# KiCad board helios-panel.kicad_pcb (continued)
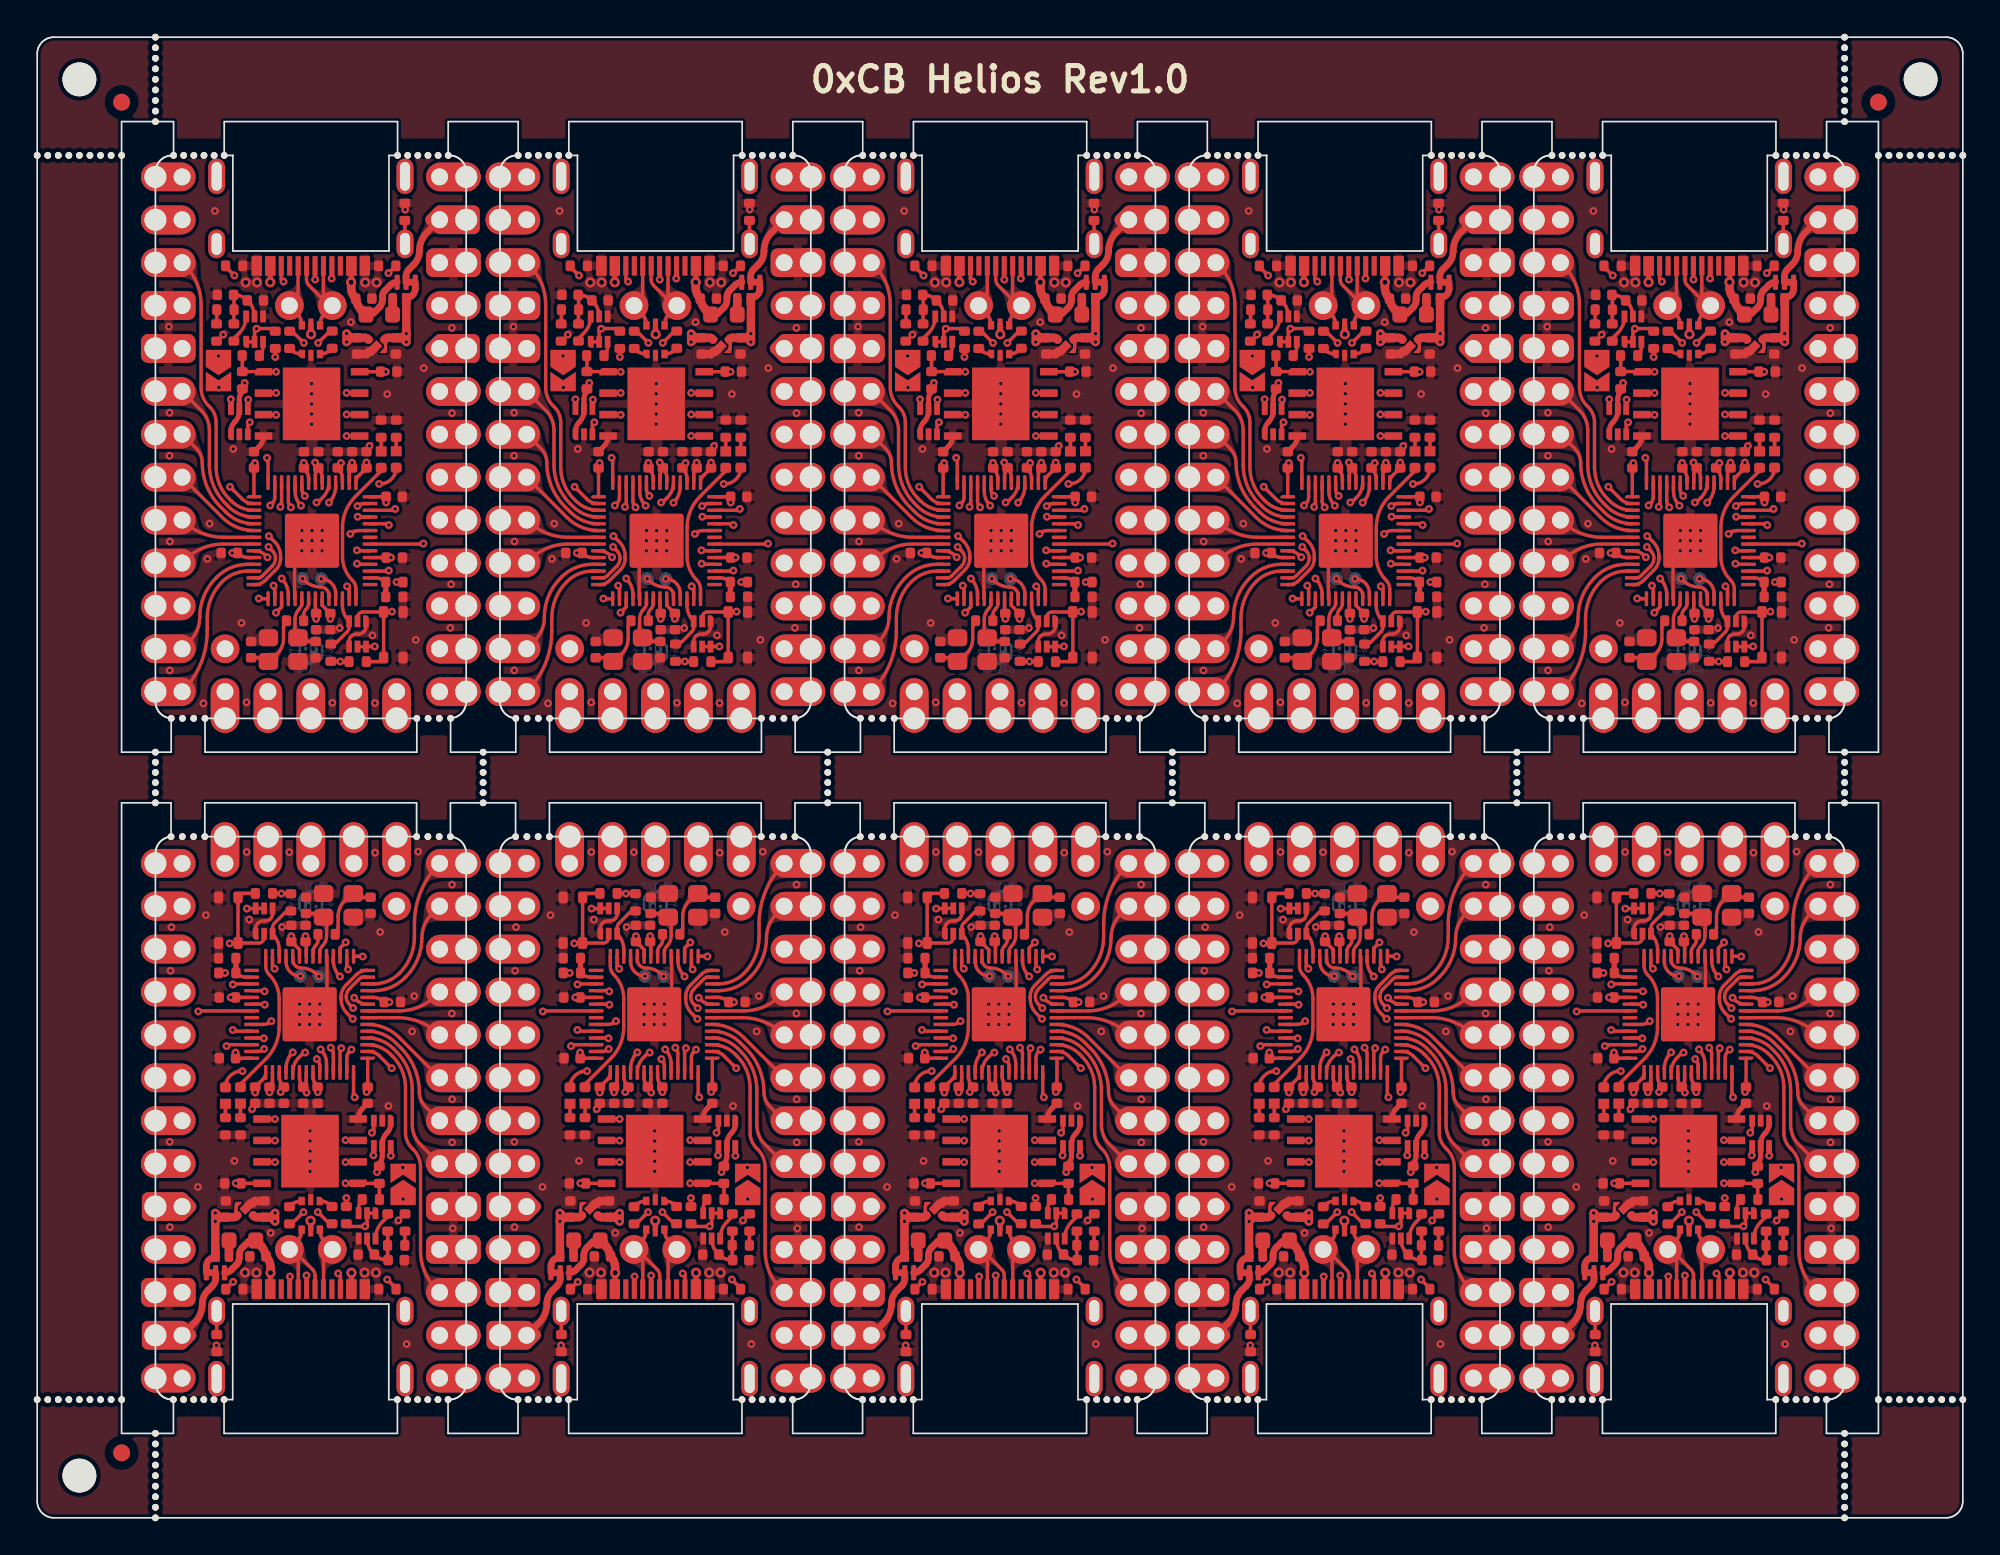
[diagram p0: board, top side]
## Routing (per net, layer and track width the routed paths; a pad name or vN(x,y) marks a point on that pad's centre or on a via; arc(x,y) is an arc through that point) (continued)
Board_9-/SWD_IO: length 1.7
  Top w0.2: U4.25 96.33,32.92 arc(96.58,32.32) v1(97.19,32.07)
Board_9-/USB+: length 0.8
  Top w0.2: R12.1 99,18.48 arc(98.7,18.69) U1#3.1
Board_9-/USB-: length 0.8
  Top w0.2: R13#5.1 96.6,18.49 arc(96.9,18.69) U1#3.3
Board_9-GND: length 8.2
  Top w0.2: Q1#8.4 95.53,35.76 arc(95.5,35.6) 95.42,35.47 95.4,35.46 arc(95.27,35.37) 95.12,35.34 94.97,35.34 arc(94.82,35.31) 94.69,35.22 94.65,35.19 arc(94.57,35.06) 94.53,34.9 Q1#8.1 ; v1(97.73,29.81) 98.76,30.84 98.76,33.22 U4.19
  Top w0.3: C16#6.2 100.85,24.23 arc(100.67,23.95) U3#3.4
  Top w0.5: C5#4.2 94.5,18.76 U2#7.2 94.24,18.61 94.09,18.46
  vias: v1(89.44,22.26) v1(89.55,34.97) v1(89.5,32.39) v1(89.45,17.21) v1(91.11,19.59) v1(91.58,35.68) v1(92.22,10.21) v1(93.28,21.13) v1(94,39.42) v1(94.16,35.42) v1(94.33,24.2) v1(95.42,16.87) v1(96.09,34.98) v1(96.53,39.41) v1(97.14,30.41) v1(97.13,29.81) v1(97.12,29.21) v1(97.73,30.41) v1(97.73,29.21) v1(97.75,22.91) v1(97.75,22.31) v1(97.75,21.71) v1(97.75,21.11) v1(97.75,20.51) v1(98.33,30.41) v1(98.33,29.81) v1(98.33,29.21) v1(101.61,39.38) v1(101.91,34.68) v1(102.39,24.38) v1(102.98,17.61) v1(103.47,10.29) v1(103.8,28.8) v1(103.92,30.89) v1(104.16,39.44) v1(106.14,29.86) v1(106.16,37.49) v1(106.17,24.78) v1(106.17,22.23) v1(106.2,17.14) v2(93.91,14.52) v2(94.58,14.52) v2(100.98,14.52) v2(101.66,14.52)
Board_9-Net-(C8-Pad2): length 3.9
  Top w0.2: R14#3.1 99.27,34.57 arc(99.38,34.74) 99.42,34.93 99.42,35.6 arc(99.51,36.1) 99.79,36.52 100.23,36.96 Y1#7.1 100.53,36.74 C8#10.2
Board_9-Net-(D1-A): length 22.4
  Top w0.2: v1(93.75,26.45) 93.71,26.45 arc(93.03,26.17) D1#2.2 ; JP1#10.2 103.25,20.48 v1(103.25,20.74)
  In1.Cu w0.2: v1(93.75,26.45) 94.86,26.45 arc(95.33,26.54) 95.72,26.81 arc(95.94,27.13) 96.02,27.51 arc(95.9,28.09) 95.57,28.58 95.12,29.03 arc(94.98,29.39) 95.12,29.74 95.14,29.76 arc(95.49,29.9) 95.85,29.76 96.67,28.93 arc(96.89,28.79) 97.14,28.74 100.59,28.74 arc(101.24,28.46) 101.51,27.81 101.51,27.42 arc(101.67,26.63) 102.12,25.96 102.87,25.21 arc(103.29,24.58) 103.44,23.84 103.44,21.17 arc(103.39,20.94) 103.26,20.74 v1(103.25,20.74)
Board_9-Net-(D1-K): length 0.8
  Top w0.2: D1#2.1 R10#9.1
Board_9-Net-(D2-K): length 0.8
  Top w0.2: D2#4.1 R15#8.1
Board_9-Net-(D3-A): length 0.9
  Top w0.5: D3#6.2 92.95,16.42 F1#3.2
Board_9-Net-(J1-CC1): length 4.8
  Top w0.2: v1(96.56,14.29) 96.56,14.28 96.56,13.54 ; v1(93.2,13.97) 93.19,13.97 R7#10.2
  In1.Cu w0.2: v1(93.2,13.97) 93.22,13.99 95.83,13.99 arc(96.23,14.06) v1(96.56,14.29)
Board_9-Net-(J1-CC2): length 4.9
  Top w0.2: R8#5.2 102.84,13.59 v1(102.33,14.11) ; v1(99.42,14.47) 99.56,14.33 99.56,13.54
  In1.Cu w0.2: v1(102.33,14.11) 102.29,14.07 arc(102.19,14.01) 102.08,13.99 100.02,13.99 arc(99.91,14.01) 99.81,14.07 v1(99.42,14.47)
Board_9-Net-(J1-SHIELD): length 1.4
  Top w0.2: 92.23,12.24 92.23,10.85 FB1#10.1
Board_9-Net-(Q1A-D): length 26.6
  Top w0.2: Q2#6.1 Q2#6.2 101.13,17.38 v1(101.02,17.26) 101,17.25 100.06,17.25 R2#2.2 ; v1(94.02,36.07) 94.53,36.07 Q1#8.6 Q1#8.5
  In2.Cu w0.2: v1(94.02,36.07) 94.41,36.07 arc(96.36,35.68) 98.02,34.58 arc(98.75,33.48) 99.01,32.18 99.01,30.22 arc(99.13,29.64) 99.46,29.14 100.71,27.89 arc(101.36,26.92) 101.59,25.77 101.59,24.79 arc(101.5,24.32) 101.23,23.92 arc(101.01,23.59) 100.93,23.2 100.93,17.34 v1(101.02,17.26)
Board_9-Net-(Q2A-D): length 1.7
  Top w0.2: R4#10.1 102.36,17.84 102.04,17.53 arc(101.74,17.07) Q2#6.6
Board_9-Net-(Q2B-G): length 3.7
  Top w0.2: R4#10.2 102.36,16.14 R5#5.1 102.34,15.29 C1#3.1 102.34,15.26 arc(101.92,15.34) C2#3.1 101.5,15.65 arc(101.23,16.05) Q2#6.5
Board_9-Net-(R5-Pad2): length 0.8
  Top w0.2: R6#5.1 103.36,16.96 103.36,16.13
Board_9-Net-(U4-XTAL_IN): length 3.6
  Top w0.2: C7#4.2 98.34,35.78 Y1#7.3 98.59,35.53 arc(98.7,35.37) 98.73,35.18 98.73,34.47 arc(98.67,34.13) 98.48,33.84 arc(98.37,33.68) 98.33,33.49 U4.20
Board_9-Net-(U4-XTAL_OUT): length 1.4
  Top w0.2: R14#3.2 98.22,34.22 arc(98.19,34.03) 98.08,33.87 98.08,33.87 arc(97.97,33.7) 97.93,33.51 U4.21
Board_9-VBUS: length 32.1
  Top w0.2: v1(92.72,32.26) R16#10.1
  Top w0.3: v2(95.42,14.51) 95.41,14.5 95.41,13.54 ; v2(100.2,14.51) 100.2,13.54
  Top w0.4: F1#3.1 94.29,16.42 arc(94.18,16.4) 94.08,16.33 93.74,16 arc(93.61,15.8) 93.56,15.56 93.56,15.37 arc(93.53,15.18) 93.41,15.01 93.08,14.67 arc(92.9,14.55) JP2#10.3
  Top w0.5: v2(95.42,14.51) 95.42,14.83 arc(95.34,15.18) 95.14,15.48 95.12,15.5 95.12,15.51 arc(95.03,15.84) 94.83,16.12 F1#3.1
  In2.Cu w0.2: v1(92.72,32.26) arc(92.2,31.48) 92.02,30.56 92.02,22.7 arc(92.9,18.27) v2(95.42,14.51)
  In2.Cu w0.5: v2(100.2,14.51) arc(99.94,13.86) 99.29,13.59 96.33,13.59 arc(95.68,13.86) v2(95.42,14.51)

## Copper pours and planes (outline as drawn; the poured copper is in the pictures)
(no net) on Top: 113.38,87.58 113.29,87.62 113.2,87.64 113.1,87.66 113,87.66 1,87.66 0.9,87.66 0.8,87.64 0.71,87.62 0.62,87.58 0.53,87.54 0.44,87.49 0.37,87.43 0.29,87.37 0.23,87.29 0.17,87.22 0.12,87.13 0.08,87.04 0.04,86.95 0.02,86.86 0,86.76 0,86.66 0,1 0,0.9 0.02,0.8 0.04,0.71 0.08,0.62 0.12,0.53 0.17,0.44 0.23,0.37 0.29,0.29 0.37,0.23 0.44,0.17 0.53,0.12 0.62,0.08 0.71,0.04 0.8,0.02 0.9,0 1,0 113,0 113.1,0 113.2,0.02 113.29,0.04 113.38,0.08 113.47,0.12 113.56,0.17 113.63,0.23 113.71,0.29 113.77,0.37 113.83,0.44 113.88,0.53 113.92,0.62 113.96,0.71 113.98,0.8 114,0.9 114,1 114,86.66 114,86.76 113.98,86.86 113.96,86.95 113.92,87.04 113.88,87.13 113.83,87.22 113.77,87.29 113.71,87.37 113.63,87.43 113.56,87.49 113.47,87.54 ; 10 cut-outs
(no net) on Bottom: 113.38,87.58 113.29,87.62 113.2,87.64 113.1,87.66 113,87.66 1,87.66 0.9,87.66 0.8,87.64 0.71,87.62 0.62,87.58 0.53,87.54 0.44,87.49 0.37,87.43 0.29,87.37 0.23,87.29 0.17,87.22 0.12,87.13 0.08,87.04 0.04,86.95 0.02,86.86 0,86.76 0,86.66 0,1 0,0.9 0.02,0.8 0.04,0.71 0.08,0.62 0.12,0.53 0.17,0.44 0.23,0.37 0.29,0.29 0.37,0.23 0.44,0.17 0.53,0.12 0.62,0.08 0.71,0.04 0.8,0.02 0.9,0 1,0 113,0 113.1,0 113.2,0.02 113.29,0.04 113.38,0.08 113.47,0.12 113.56,0.17 113.63,0.23 113.71,0.29 113.77,0.37 113.83,0.44 113.88,0.53 113.92,0.62 113.96,0.71 113.98,0.8 114,0.9 114,1 114,86.66 114,86.76 113.98,86.86 113.96,86.95 113.92,87.04 113.88,87.13 113.83,87.22 113.77,87.29 113.71,87.37 113.63,87.43 113.56,87.49 113.47,87.54 ; 10 cut-outs
Board_0-+3V3 on In1.Cu, In2.Cu: 3.52,83.87 28.02,83.87 28.02,44.37 3.52,44.37
Board_0-/0_TX0 on In1.Cu: 9.38,75.29 9.28,75.46 9.22,75.61 9.2,75.75 9.2,75.88 9.22,76 9.26,76.13 9.3,76.26 9.35,76.4 9.39,76.56 9.42,76.74 8.45,77.25 7.97,76.26 8.12,76.12 8.25,76.01 8.38,75.92 8.5,75.85 8.61,75.78 8.73,75.7 8.84,75.62 8.96,75.5 9.08,75.36 9.21,75.18
Board_0-/1_RX0 on Top: 9.62,72.95 9.55,73.15 9.51,73.33 9.49,73.48 9.48,73.62 9.48,73.75 9.48,73.88 9.48,74.02 9.47,74.16 9.45,74.32 9.41,74.51 8.31,74.64 8.23,73.54 8.39,73.47 8.54,73.43 8.69,73.41 8.82,73.38 8.95,73.36 9.07,73.32 9.18,73.26 9.27,73.17 9.36,73.05 9.43,72.88
Board_0-/2_SDA1 on Top: 10.23,64.85 10.15,65.14 10.06,65.39 9.97,65.59 9.89,65.77 9.81,65.93 9.72,66.09 9.64,66.25 9.56,66.44 9.48,66.65 9.4,66.91 8.28,66.99 8.3,65.89 8.55,65.81 8.79,65.75 9.01,65.71 9.21,65.66 9.39,65.6 9.56,65.52 9.71,65.41 9.84,65.26 9.95,65.06 10.04,64.8
Board_0-/3_SCL1 on Top: 9.87,62.57 9.84,62.8 9.8,63 9.75,63.16 9.7,63.3 9.64,63.43 9.59,63.56 9.54,63.7 9.49,63.84 9.45,64.02 9.43,64.23 8.28,64.45 8.3,63.35 8.5,63.29 8.69,63.25 8.88,63.22 9.05,63.19 9.21,63.16 9.35,63.1 9.47,63.03 9.56,62.91 9.63,62.76 9.67,62.55
Board_0-/4 on Top: 9.85,60.49 9.71,60.64 9.62,60.77 9.56,60.9 9.52,61.03 9.5,61.15 9.49,61.28 9.48,61.41 9.46,61.56 9.43,61.71 9.38,61.89 8.28,61.91 8.3,60.81 8.48,60.76 8.63,60.73 8.78,60.71 8.91,60.7 9.04,60.69 9.16,60.67 9.29,60.63 9.42,60.57 9.55,60.48 9.7,60.34
Board_0-/5 on Top: 10.05,58.3 9.88,58.36 9.76,58.44 9.66,58.53 9.6,58.63 9.55,58.74 9.52,58.87 9.49,59 9.46,59.14 9.41,59.29 9.34,59.44 8.25,59.33 8.4,58.24 8.59,58.21 8.76,58.19 8.91,58.19 9.04,58.2 9.17,58.2 9.3,58.21 9.44,58.21 9.6,58.2 9.78,58.16 9.99,58.11
Board_0-/6 on Top: 9.94,57.57 9.73,57.51 9.55,57.47 9.4,57.44 9.26,57.43 9.13,57.43 9,57.43 8.87,57.43 8.73,57.42 8.56,57.4 8.37,57.35 8.25,56.26 9.35,56.18 9.42,56.34 9.46,56.5 9.48,56.64 9.51,56.78 9.53,56.91 9.57,57.02 9.63,57.13 9.71,57.23 9.84,57.31 10,57.38
Board_0-/7 on In2.Cu: 10.22,54.36 10.04,54.31 9.88,54.29 9.75,54.31 9.63,54.35 9.52,54.4 9.41,54.47 9.3,54.55 9.18,54.63 9.05,54.71 8.89,54.78 8.16,53.96 9.01,53.26 9.17,53.36 9.3,53.46 9.41,53.56 9.5,53.66 9.59,53.75 9.69,53.84 9.79,53.93 9.92,54.01 10.08,54.09 10.28,54.17
Board_0-/8 on Top: 9.46,52.84 9.4,52.67 9.33,52.55 9.23,52.47 9.13,52.41 9.01,52.38 8.87,52.36 8.73,52.34 8.58,52.32 8.42,52.29 8.26,52.24 8.3,51.13 9.4,51.24 9.45,51.42 9.48,51.58 9.5,51.73 9.51,51.86 9.53,52.11 9.55,52.25 9.57,52.4 9.61,52.58 9.66,52.79
Board_0-/9 on Top: 9.47,50.33 9.38,50.17 9.28,50.05 9.18,49.96 9.07,49.91 8.95,49.87 8.83,49.84 8.69,49.82 8.55,49.79 8.4,49.75 8.23,49.69 8.31,48.59 9.4,48.7 9.44,48.89 9.46,49.05 9.47,49.2 9.47,49.33 9.46,49.46 9.47,49.59 9.48,49.73 9.51,49.88 9.57,50.05 9.65,50.25
Board_0-/10 on In2.Cu: 9.61,78.02 9.53,78.22 9.49,78.4 9.46,78.55 9.45,78.69 9.46,78.82 9.46,78.95 9.47,79.09 9.46,79.23 9.44,79.4 9.41,79.59 8.31,79.72 8.22,78.62 8.38,78.55 8.53,78.51 8.68,78.48 8.81,78.45 8.93,78.42 9.05,78.38 9.15,78.32 9.25,78.23 9.34,78.11 9.42,77.94
Board_0-/11 on In1.Cu: 22.99,77.94 23.07,78.11 23.15,78.23 23.25,78.32 23.36,78.38 23.47,78.42 23.59,78.45 23.73,78.48 23.87,78.51 24.02,78.56 24.18,78.62 24.09,79.72 22.99,79.59 22.96,79.4 22.94,79.23 22.94,79.08 22.94,78.95 22.95,78.82 22.95,78.69 22.94,78.55 22.92,78.4 22.87,78.22 22.8,78.02
Board_0-/12 on In1.Cu: 12.07,50.3 11.97,50.14 11.86,50.03 11.75,49.95 11.63,49.89 11.51,49.86 11.39,49.84 11.26,49.82 11.11,49.79 10.96,49.75 10.79,49.69 10.84,48.59 11.94,48.68 11.98,48.87 12,49.03 12.01,49.17 12.01,49.44 12.02,49.57 12.04,49.7 12.08,49.85 12.15,50.01 12.25,50.2
Board_0-/13 on In1.Cu: 13.56,50.6 13.55,50.4 13.52,50.24 13.47,50.1 13.41,49.99 13.33,49.88 13.25,49.79 13.16,49.69 13.07,49.57 12.98,49.44 12.89,49.28 13.66,48.48 14.43,49.28 14.34,49.44 14.25,49.57 14.16,49.69 14.07,49.79 13.99,49.88 13.91,49.99 13.85,50.1 13.8,50.24 13.77,50.4 13.76,50.6
Board_0-/14 on In1.Cu: 15.03,50.16 15.13,49.98 15.2,49.82 15.25,49.68 15.27,49.54 15.29,49.42 15.3,49.15 15.31,49.01 15.34,48.85 15.39,48.67 16.49,48.6 16.51,49.7 16.34,49.76 16.19,49.79 16.04,49.81 15.9,49.83 15.78,49.85 15.66,49.88 15.54,49.92 15.42,50 15.31,50.11 15.2,50.27
Board_0-/15 on In1.Cu: 17.47,50.03 17.61,49.88 17.7,49.75 17.76,49.62 17.8,49.49 17.82,49.37 17.83,49.24 17.84,49.11 17.86,48.96 17.89,48.81 17.94,48.63 19.04,48.61 19.02,49.71 18.84,49.76 18.69,49.79 18.54,49.81 18.41,49.82 18.28,49.83 18.16,49.85 18.03,49.89 17.9,49.95 17.77,50.04 17.62,50.18
Board_0-/16 on In1.Cu: 20.03,50.08 20.15,49.92 20.24,49.77 20.29,49.63 20.33,49.5 20.35,49.37 20.36,49.25 20.37,49.11 20.39,48.97 20.42,48.81 20.48,48.63 21.58,48.61 21.56,49.71 21.38,49.76 21.23,49.79 21.08,49.81 20.94,49.82 20.81,49.83 20.69,49.85 20.57,49.89 20.45,49.96 20.32,50.06 20.19,50.21
Board_0-/20_SDI on In1.Cu: 22.55,55.11 22.69,54.96 22.78,54.83 22.84,54.7 22.88,54.57 22.9,54.45 22.91,54.32 22.92,54.19 22.94,54.04 22.97,53.89 23.02,53.71 24.12,53.69 24.1,54.79 23.92,54.84 23.77,54.87 23.62,54.89 23.49,54.9 23.36,54.91 23.24,54.93 23.11,54.97 22.98,55.03 22.85,55.12 22.7,55.26
Board_0-/21_CS on In1.Cu: 22.55,50.03 22.69,49.88 22.78,49.75 22.84,49.62 22.88,49.49 22.9,49.37 22.91,49.24 22.92,49.11 22.94,48.96 22.97,48.81 23.02,48.63 24.12,48.61 24.1,49.71 23.92,49.76 23.77,49.79 23.62,49.81 23.49,49.82 23.36,49.83 23.24,49.85 23.11,49.89 22.98,49.95 22.85,50.04 22.7,50.18
Board_0-/22_SCK on In1.Cu: 22.31,57.19 22.48,57.15 22.61,57.09 22.71,57.01 22.78,56.92 22.83,56.81 22.87,56.69 22.91,56.56 22.95,56.43 23,56.28 23.07,56.13 24.16,56.28 23.95,57.37 23.76,57.39 23.59,57.4 23.45,57.4 23.31,57.39 23.05,57.36 22.91,57.35 22.75,57.35 22.57,57.36 22.35,57.39
Board_0-/23_SDO on In2.Cu: 22.8,52.82 22.86,52.61 22.9,52.44 22.92,52.28 22.92,52.14 22.93,52.01 22.92,51.88 22.93,51.75 22.93,51.6 22.95,51.44 22.99,51.25 24.09,51.12 24.18,52.22 24.01,52.28 23.86,52.33 23.72,52.35 23.58,52.38 23.45,52.41 23.34,52.44 23.23,52.5 23.14,52.59 23.06,52.72 22.99,52.88
Board_0-/A0 on In1.Cu: 22.17,58.67 22.39,58.66 22.58,58.63 22.73,58.59 22.87,58.54 22.99,58.48 23.11,58.41 23.23,58.35 23.38,58.3 23.54,58.25 23.74,58.22 24.22,59.22 23.21,59.66 23.1,59.54 23.01,59.42 22.86,59.2 22.78,59.11 22.7,59.03 22.6,58.97 22.49,58.92 22.34,58.89 22.17,58.88
Board_0-/A1 on In1.Cu: 22.7,60.34 22.85,60.48 22.98,60.57 23.11,60.63 23.24,60.67 23.36,60.69 23.49,60.7 23.62,60.71 23.77,60.73 23.92,60.76 24.1,60.81 24.12,61.91 23.02,61.89 22.97,61.71 22.94,61.56 22.92,61.41 22.91,61.28 22.9,61.15 22.88,61.03 22.84,60.9 22.78,60.77 22.69,60.64 22.55,60.49
Board_0-/A2 on In1.Cu: 22.7,62.88 22.85,63.02 22.98,63.11 23.11,63.17 23.24,63.21 23.36,63.23 23.49,63.24 23.62,63.25 23.77,63.27 23.92,63.3 24.1,63.35 24.12,64.45 23.02,64.43 22.97,64.25 22.94,64.1 22.92,63.95 22.91,63.82 22.9,63.69 22.88,63.57 22.84,63.44 22.78,63.31 22.69,63.18 22.55,63.03
Board_0-/A3 on In1.Cu: 22.7,65.42 22.85,65.56 22.98,65.65 23.11,65.71 23.24,65.75 23.36,65.77 23.49,65.78 23.62,65.79 23.77,65.81 23.92,65.84 24.1,65.89 24.12,66.99 23.02,66.97 22.97,66.79 22.94,66.64 22.92,66.49 22.91,66.36 22.9,66.23 22.88,66.11 22.84,65.98 22.78,65.85 22.69,65.72 22.55,65.57
Board_0-/PORT+ on Top: 15.77,70.6 15.76,70.69 15.74,70.78 15.72,70.86 15.69,70.94 15.65,71.01 15.62,71.06 15.54,71.18 14.67,72.1 15.36,71.04 15.44,70.95 15.47,70.91 15.5,70.86 15.52,70.8 15.55,70.74 15.56,70.67 15.57,70.6
Board_0-/PORT+ on Top: 15.34,73.31 15.33,73.15 15.3,73.03 15.25,72.93 15.19,72.85 15.11,72.79 15.01,72.74 14.91,72.69 14.79,72.64 14.67,72.59 14.54,72.53 14.67,71.43 15.78,71.77 15.77,71.96 15.76,72.12 15.73,72.26 15.7,72.38 15.63,72.63 15.6,72.76 15.57,72.91 15.55,73.09 15.55,73.31
Board_0-/PORT+ on In1.Cu: 16.14,72.96 16,72.83 15.86,72.74 15.74,72.68 15.62,72.65 15.5,72.64 15.37,72.64 15.24,72.64 15.1,72.64 14.94,72.63 14.76,72.6 14.59,71.51 15.69,71.38 15.77,71.56 15.82,71.72 15.85,71.86 15.9,72.12 15.93,72.25 15.97,72.38 16.04,72.52 16.14,72.66 16.28,72.82
Board_0-/PORT- on Top: 16.84,73.29 16.84,73.08 16.82,72.91 16.8,72.75 16.77,72.62 16.7,72.38 16.67,72.26 16.64,72.12 16.63,71.96 16.62,71.77 17.73,71.43 17.85,72.53 17.72,72.59 17.48,72.69 17.37,72.74 17.28,72.79 17.2,72.85 17.13,72.93 17.09,73.02 17.06,73.15 17.05,73.29
Board_0-/PORT- on Top: 16.11,72.8 16.25,72.65 16.35,72.5 16.42,72.37 16.47,72.24 16.5,72.11 16.55,71.84 16.58,71.7 16.64,71.54 16.72,71.37 17.81,71.52 17.62,72.61 17.45,72.63 17.29,72.64 17.15,72.63 17.02,72.63 16.89,72.63 16.77,72.64 16.65,72.67 16.53,72.73 16.4,72.82 16.25,72.94
Board_0-/PORT- on Top: 16.84,70.6 16.85,70.67 16.86,70.74 16.89,70.8 16.91,70.86 16.94,70.91 16.97,70.95 17.05,71.03 17.73,72.11 16.86,71.18 16.78,71.06 16.75,71 16.72,70.94 16.69,70.86 16.67,70.78 16.65,70.69 16.64,70.6
Board_0-/RAW on Top: 22.91,75.47 22.99,75.64 23.07,75.77 23.16,75.87 23.26,75.94 23.36,76 23.48,76.04 23.61,76.07 23.74,76.1 23.89,76.14 24.05,76.19 24.07,77.1 23.16,77.08 23.09,76.9 23.03,76.75 22.98,76.62 22.92,76.5 22.81,76.27 22.75,76.14 22.69,75.99 22.62,75.82 22.54,75.61
Board_0-/RESET on In2.Cu: 22.92,70.35 23.02,70.51 23.12,70.63 23.22,70.72 23.33,70.78 23.45,70.81 23.57,70.84 23.7,70.86 23.85,70.89 24,70.93 24.16,70.99 24.1,72.09 23,71.98 22.96,71.8 22.94,71.63 22.93,71.49 22.93,71.35 22.93,71.22 22.93,71.09 22.92,70.96 22.89,70.81 22.83,70.64 22.74,70.44
Board_0-/RGB_5V on In2.Cu: 11.38,53.14 11.29,52.95 11.19,52.79 11.1,52.67 11.01,52.56 10.91,52.47 10.82,52.39 10.72,52.29 10.62,52.19 10.51,52.06 10.4,51.9 11.08,51.03 11.92,51.74 11.86,51.9 11.78,52.04 11.7,52.16 11.63,52.27 11.56,52.38 11.51,52.49 11.48,52.61 11.48,52.74 11.5,52.89 11.57,53.06
Board_0-GND on Top: 21.78,69.38 21.8,68.38 18.41,68.38 18.41,69.38
Board_0-GND on Top, Bottom: 4.52,84.87 29.02,84.87 29.02,45.37 4.52,45.37
Board_0-Net-(C8-Pad2) on Top: 14.39,51.59 14.34,51.48 14.28,51.4 14.21,51.34 14.14,51.29 14.06,51.27 13.98,51.25 13.89,51.24 13.79,51.22 13.69,51.21 13.58,51.19 13.5,50.54 14.15,50.51 14.58,51.51
Board_0-Net-(J1-SHIELD) on Top: 21.67,76.41 21.66,76.3 21.65,76.2 21.63,76.12 21.59,76.05 21.56,75.99 21.51,75.93 21.47,75.87 21.42,75.8 21.37,75.73 21.32,75.63 21.78,75.17 22.22,75.64 22.17,75.73 22.12,75.81 22.07,75.88 22.03,75.93 21.98,75.99 21.95,76.05 21.92,76.12 21.89,76.2 21.88,76.3 21.87,76.41
Board_0-Net-(U4-XTAL_IN) on Top: 15.16,53.07 15.16,52.94 15.15,52.83 15.12,52.74 15.1,52.66 15.07,52.59 15.04,52.52 15.01,52.44 14.98,52.36 14.96,52.26 14.94,52.15 15.53,51.87 15.79,52.46 15.72,52.52 15.65,52.58 15.59,52.62 15.54,52.67 15.49,52.71 15.45,52.76 15.41,52.82 15.39,52.89 15.37,52.97 15.37,53.07
Board_1-+3V3 on In1.Cu, In2.Cu: 23.92,83.87 48.42,83.87 48.42,44.37 23.92,44.37
Board_1-/0_TX0 on In1.Cu: 29.78,75.29 29.68,75.46 29.62,75.61 29.6,75.75 29.6,75.88 29.62,76 29.66,76.13 29.7,76.26 29.75,76.4 29.79,76.56 29.82,76.74 28.85,77.25 28.37,76.26 28.52,76.12 28.65,76.01 28.78,75.92 28.9,75.85 29.01,75.78 29.13,75.7 29.24,75.62 29.36,75.5 29.48,75.36 29.61,75.18
Board_1-/1_RX0 on Top: 30.02,72.95 29.95,73.15 29.91,73.33 29.89,73.48 29.88,73.62 29.88,73.75 29.88,73.88 29.88,74.02 29.87,74.16 29.85,74.32 29.81,74.51 28.71,74.64 28.63,73.54 28.79,73.47 28.94,73.43 29.09,73.41 29.22,73.38 29.35,73.36 29.47,73.32 29.58,73.26 29.67,73.17 29.76,73.05 29.83,72.88
Board_1-/2_SDA1 on Top: 30.63,64.85 30.55,65.14 30.46,65.39 30.37,65.59 30.29,65.77 30.21,65.93 30.12,66.09 30.04,66.25 29.96,66.44 29.88,66.65 29.8,66.91 28.68,66.99 28.7,65.89 28.95,65.81 29.19,65.75 29.41,65.71 29.61,65.66 29.79,65.6 29.96,65.52 30.11,65.41 30.24,65.26 30.35,65.06 30.44,64.8
Board_1-/3_SCL1 on Top: 30.27,62.57 30.24,62.8 30.2,63 30.15,63.16 30.1,63.3 30.04,63.43 29.99,63.56 29.94,63.7 29.89,63.84 29.85,64.02 29.83,64.23 28.68,64.45 28.7,63.35 28.9,63.29 29.09,63.25 29.28,63.22 29.45,63.19 29.61,63.16 29.75,63.1 29.87,63.03 29.96,62.91 30.03,62.76 30.07,62.55
Board_1-/4 on Top: 30.25,60.49 30.11,60.64 30.02,60.77 29.96,60.9 29.92,61.03 29.9,61.15 29.89,61.28 29.88,61.41 29.86,61.56 29.83,61.71 29.78,61.89 28.68,61.91 28.7,60.81 28.88,60.76 29.03,60.73 29.18,60.71 29.31,60.7 29.44,60.69 29.56,60.67 29.69,60.63 29.82,60.57 29.95,60.48 30.1,60.34
Board_1-/5 on Top: 30.45,58.3 30.28,58.36 30.16,58.44 30.06,58.53 30,58.63 29.95,58.74 29.92,58.87 29.89,59 29.86,59.14 29.81,59.29 29.74,59.44 28.65,59.33 28.8,58.24 28.99,58.21 29.16,58.19 29.31,58.19 29.44,58.2 29.57,58.2 29.7,58.21 29.84,58.21 30,58.2 30.18,58.16 30.39,58.11
Board_1-/6 on Top: 30.34,57.57 30.13,57.51 29.95,57.47 29.8,57.44 29.66,57.43 29.53,57.43 29.4,57.43 29.27,57.43 29.13,57.42 28.96,57.4 28.77,57.35 28.65,56.26 29.75,56.18 29.82,56.34 29.86,56.5 29.88,56.64 29.91,56.78 29.93,56.91 29.97,57.02 30.03,57.13 30.11,57.23 30.24,57.31 30.4,57.38
Board_1-/7 on In2.Cu: 30.62,54.36 30.44,54.31 30.28,54.29 30.15,54.31 30.03,54.35 29.92,54.4 29.81,54.47 29.7,54.55 29.58,54.63 29.45,54.71 29.29,54.78 28.56,53.96 29.41,53.26 29.57,53.36 29.7,53.46 29.81,53.56 29.9,53.66 29.99,53.75 30.09,53.84 30.19,53.93 30.32,54.01 30.48,54.09 30.68,54.17
Board_1-/8 on Top: 29.86,52.84 29.8,52.67 29.73,52.55 29.63,52.47 29.53,52.41 29.41,52.38 29.27,52.36 29.13,52.34 28.98,52.32 28.82,52.29 28.66,52.24 28.7,51.13 29.8,51.24 29.85,51.42 29.88,51.58 29.9,51.73 29.91,51.86 29.93,52.11 29.95,52.25 29.97,52.4 30.01,52.58 30.06,52.79
Board_1-/9 on Top: 29.87,50.33 29.78,50.17 29.68,50.05 29.58,49.96 29.47,49.91 29.35,49.87 29.23,49.84 29.09,49.82 28.95,49.79 28.8,49.75 28.63,49.69 28.71,48.59 29.8,48.7 29.84,48.89 29.86,49.05 29.87,49.2 29.87,49.33 29.86,49.46 29.87,49.59 29.88,49.73 29.91,49.88 29.97,50.05 30.05,50.25
Board_1-/10 on In2.Cu: 30.01,78.02 29.93,78.22 29.89,78.4 29.86,78.55 29.85,78.69 29.86,78.82 29.86,78.95 29.87,79.09 29.86,79.23 29.84,79.4 29.81,79.59 28.71,79.72 28.62,78.62 28.78,78.55 28.93,78.51 29.08,78.48 29.21,78.45 29.33,78.42 29.45,78.38 29.55,78.32 29.65,78.23 29.74,78.11 29.82,77.94
Board_1-/11 on In1.Cu: 43.39,77.94 43.47,78.11 43.55,78.23 43.65,78.32 43.76,78.38 43.87,78.42 43.99,78.45 44.13,78.48 44.27,78.51 44.42,78.56 44.58,78.62 44.49,79.72 43.39,79.59 43.36,79.4 43.34,79.23 43.34,79.08 43.34,78.95 43.35,78.82 43.35,78.69 43.34,78.55 43.32,78.4 43.27,78.22 43.2,78.02
Board_1-/12 on In1.Cu: 32.47,50.3 32.37,50.14 32.26,50.03 32.15,49.95 32.03,49.89 31.91,49.86 31.79,49.84 31.66,49.82 31.51,49.79 31.36,49.75 31.19,49.69 31.24,48.59 32.34,48.68 32.38,48.87 32.4,49.03 32.41,49.17 32.41,49.44 32.42,49.57 32.44,49.7 32.48,49.85 32.55,50.01 32.65,50.2
Board_1-/13 on In1.Cu: 33.96,50.6 33.95,50.4 33.92,50.24 33.87,50.1 33.81,49.99 33.73,49.88 33.65,49.79 33.56,49.69 33.47,49.57 33.38,49.44 33.3,49.28 34.06,48.48 34.83,49.28 34.74,49.44 34.65,49.57 34.56,49.69 34.47,49.79 34.39,49.88 34.31,49.99 34.25,50.1 34.2,50.24 34.17,50.4 34.16,50.6
Board_1-/14 on In1.Cu: 35.43,50.16 35.53,49.98 35.6,49.82 35.65,49.68 35.67,49.54 35.69,49.42 35.7,49.15 35.71,49.01 35.74,48.85 35.79,48.67 36.89,48.6 36.91,49.7 36.74,49.76 36.59,49.79 36.44,49.81 36.3,49.83 36.18,49.85 36.06,49.88 35.94,49.92 35.82,50 35.71,50.11 35.6,50.27
Board_1-/15 on In1.Cu: 37.87,50.03 38.01,49.88 38.1,49.75 38.16,49.62 38.2,49.49 38.22,49.37 38.23,49.24 38.24,49.11 38.26,48.96 38.29,48.81 38.34,48.63 39.44,48.61 39.42,49.71 39.24,49.76 39.09,49.79 38.94,49.81 38.81,49.82 38.68,49.83 38.56,49.85 38.43,49.89 38.3,49.95 38.17,50.04 38.02,50.18
Board_1-/16 on In1.Cu: 40.43,50.08 40.55,49.92 40.64,49.77 40.69,49.63 40.73,49.5 40.75,49.37 40.76,49.25 40.77,49.11 40.79,48.97 40.82,48.81 40.88,48.63 41.98,48.61 41.96,49.71 41.78,49.76 41.63,49.79 41.48,49.81 41.34,49.82 41.21,49.83 41.09,49.85 40.97,49.89 40.85,49.96 40.72,50.06 40.59,50.21
Board_1-/20_SDI on In1.Cu: 42.95,55.11 43.09,54.96 43.18,54.83 43.24,54.7 43.28,54.57 43.3,54.45 43.31,54.32 43.32,54.19 43.34,54.04 43.37,53.89 43.42,53.71 44.52,53.69 44.5,54.79 44.32,54.84 44.17,54.87 44.02,54.89 43.89,54.9 43.76,54.91 43.64,54.93 43.51,54.97 43.38,55.03 43.25,55.12 43.1,55.26
Board_1-/21_CS on In1.Cu: 42.95,50.03 43.09,49.88 43.18,49.75 43.24,49.62 43.28,49.49 43.3,49.37 43.31,49.24 43.32,49.11 43.34,48.96 43.37,48.81 43.42,48.63 44.52,48.61 44.5,49.71 44.32,49.76 44.17,49.79 44.02,49.81 43.89,49.82 43.76,49.83 43.64,49.85 43.51,49.89 43.38,49.95 43.25,50.04 43.1,50.18
Board_1-/22_SCK on In1.Cu: 42.71,57.19 42.88,57.15 43.01,57.09 43.11,57.01 43.18,56.92 43.23,56.81 43.27,56.69 43.31,56.56 43.35,56.43 43.4,56.28 43.47,56.13 44.56,56.28 44.35,57.37 44.16,57.39 43.99,57.4 43.85,57.4 43.71,57.39 43.45,57.36 43.31,57.35 43.15,57.35 42.97,57.36 42.75,57.39
Board_1-/23_SDO on In2.Cu: 43.2,52.82 43.26,52.61 43.3,52.44 43.32,52.28 43.32,52.14 43.33,52.01 43.32,51.88 43.33,51.75 43.33,51.6 43.35,51.44 43.39,51.25 44.49,51.12 44.58,52.22 44.41,52.28 44.26,52.33 44.12,52.35 43.98,52.38 43.85,52.41 43.74,52.44 43.63,52.5 43.54,52.59 43.46,52.72 43.39,52.88
Board_1-/A0 on In1.Cu: 42.57,58.67 42.79,58.66 42.98,58.63 43.13,58.59 43.27,58.54 43.39,58.48 43.51,58.41 43.63,58.35 43.78,58.3 43.94,58.25 44.14,58.22 44.62,59.22 43.61,59.66 43.5,59.54 43.41,59.42 43.26,59.2 43.18,59.11 43.1,59.03 43,58.97 42.89,58.92 42.74,58.89 42.57,58.88
Board_1-/A1 on In1.Cu: 43.1,60.34 43.25,60.48 43.38,60.57 43.51,60.63 43.64,60.67 43.76,60.69 43.89,60.7 44.02,60.71 44.17,60.73 44.32,60.76 44.5,60.81 44.52,61.91 43.42,61.89 43.37,61.71 43.34,61.56 43.32,61.41 43.31,61.28 43.3,61.15 43.28,61.03 43.24,60.9 43.18,60.77 43.09,60.64 42.95,60.49
Board_1-/A2 on In1.Cu: 43.1,62.88 43.25,63.02 43.38,63.11 43.51,63.17 43.64,63.21 43.76,63.23 43.89,63.24 44.02,63.25 44.17,63.27 44.32,63.3 44.5,63.35 44.52,64.45 43.42,64.43 43.37,64.25 43.34,64.1 43.32,63.95 43.31,63.82 43.3,63.69 43.28,63.57 43.24,63.44 43.18,63.31 43.09,63.18 42.95,63.03
Board_1-/A3 on In1.Cu: 43.1,65.42 43.25,65.56 43.38,65.65 43.51,65.71 43.64,65.75 43.76,65.77 43.89,65.78 44.02,65.79 44.17,65.81 44.32,65.84 44.5,65.89 44.52,66.99 43.42,66.97 43.37,66.79 43.34,66.64 43.32,66.49 43.31,66.36 43.3,66.23 43.28,66.11 43.24,65.98 43.18,65.85 43.09,65.72 42.95,65.57
Board_1-/PORT+ on Top: 36.17,70.6 36.16,70.69 36.14,70.78 36.12,70.86 36.09,70.94 36.05,71.01 36.02,71.06 35.94,71.18 35.07,72.1 35.76,71.04 35.84,70.95 35.87,70.91 35.9,70.86 35.92,70.8 35.95,70.74 35.96,70.67 35.97,70.6
Board_1-/PORT+ on Top: 35.74,73.31 35.73,73.15 35.7,73.03 35.65,72.93 35.59,72.85 35.51,72.79 35.41,72.74 35.31,72.69 35.19,72.64 35.07,72.59 34.94,72.53 35.07,71.43 36.18,71.77 36.17,71.96 36.16,72.12 36.13,72.26 36.1,72.38 36.03,72.63 36,72.76 35.97,72.91 35.95,73.09 35.95,73.31
Board_1-/PORT+ on In1.Cu: 36.54,72.96 36.4,72.83 36.26,72.74 36.14,72.68 36.02,72.65 35.9,72.64 35.77,72.64 35.64,72.64 35.5,72.64 35.34,72.63 35.16,72.6 34.99,71.51 36.09,71.38 36.17,71.56 36.22,71.72 36.25,71.86 36.3,72.12 36.33,72.25 36.37,72.38 36.44,72.52 36.54,72.66 36.68,72.82